# KiCad board retroslop.kicad_pcb (continued)
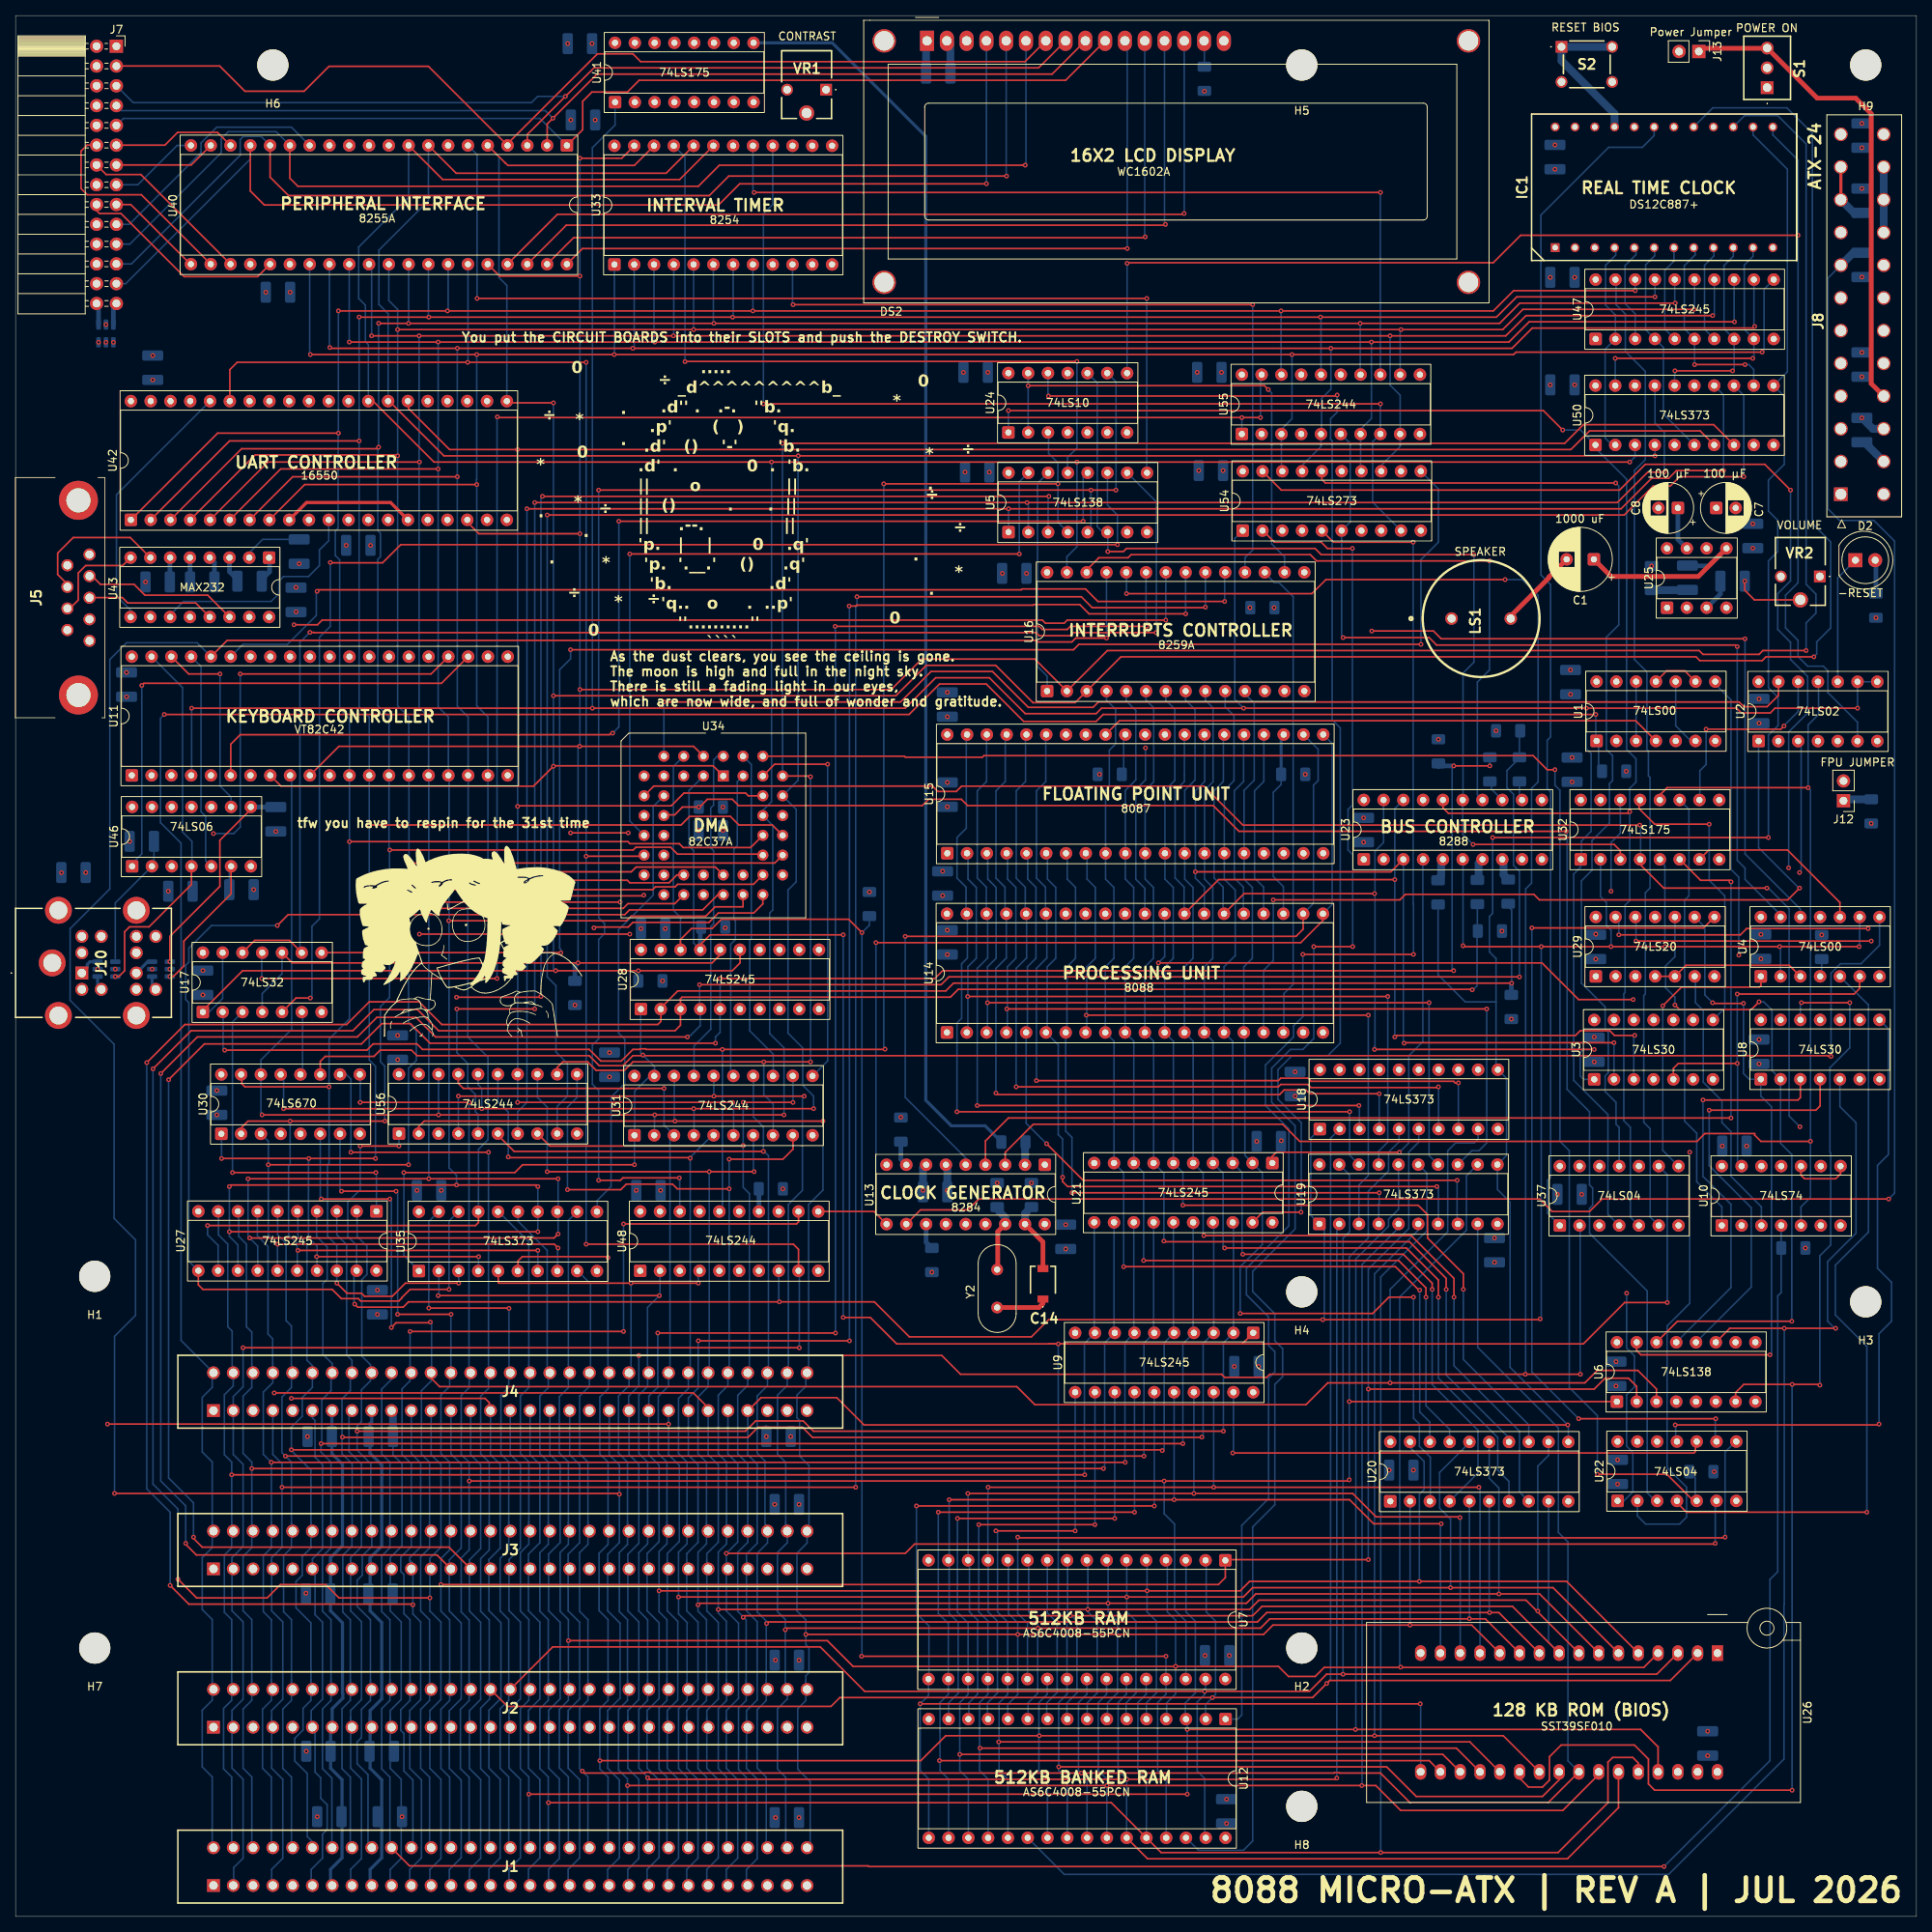
[diagram p0: board, top side]
## Library data of the parts (continued)
U2 = -: Datasheet: http://www.ti.com/lit/gpn/sn74ls02; Description: quad 2-input NOR gate; KiLib_Generator: package/DIP/legacy; ki_fp_filters: SO14* DIP*W7.62mm*
U3 U8 = -: Datasheet: http://www.ti.com/lit/gpn/sn74LS30; Description: 8-input NAND; KiLib_Generator: package/DIP/legacy; ki_fp_filters: DIP*W7.62mm*
U5 U6 = -: Datasheet: http://www.ti.com/lit/gpn/sn74LS138; Description: Decoder 3 to 8 active low outputs; KiLib_Generator: package/DIP/legacy; ki_fp_filters: DIP?16*
U7 U12 = -: Datasheet: https://www.alliancememory.com/wp-content/uploads/pdf/AS6C4008.pdf; Description: 512K x 8 Low Power CMOS RAM, DIP-32; KiLib_Generator: package/DIP/legacy; ki_fp_filters: DIP*W15.24mm*
U9 U21 U27 U28 U47 = -: Datasheet: http://www.ti.com/lit/gpn/sn74LS245; Description: Octal BUS Transceivers, 3-State outputs; KiLib_Generator: package/DIP/legacy; ki_fp_filters: DIP?20*
U10 = -: Datasheet: https://www.ti.com/lit/ds/symlink/sn74ls74a.pdf; Description: Dual D Flip-flop, Set & Reset; KiLib_Generator: package/DIP/legacy; ki_fp_filters: DIP*W7.62mm*
U11 = -: Datasheet: https://theretroweb.com/chip/documentation/vt82c42-6754b67122f9e811961681.pdf; KiLib_Generator: package/DIP/legacy
U13 = -: Datasheet: http://www.cpu-galaxy.at/cpu/ram%20rom%20eprom/other_intel_chips/other_intel-Dateien/D8284A_Datasheet.pdf; Description: Clock Generator and Driver for i8086/88 Microcontrollers, PDIP-18; KiLib_Generator: package/DIP/legacy; ki_fp_filters: DIP*W7.62mm*
U14 = -: Datasheet: http://datasheets.chipdb.org/Intel/x86/808x/datashts/8088/231456-006.pdf; Description: 8088 (maximum mode), 8-Bit HMOS Microprocessor, PDIP-40; KiLib_Generator: package/DIP/legacy; ki_fp_filters: DIP*W15.24mm*
U15 = -: Datasheet: http://datasheets.chipdb.org/Intel/x86/808x/datashts/8087/205835-007.pdf; Description: Math Coprocessor for Intel 8086/8088/80186/80188 microprocessors, PDIP-40; KiLib_Generator: package/DIP/legacy; ki_fp_filters: DIP*W15.24mm*
U16 = -: Datasheet: http://pdos.csail.mit.edu/6.828/2005/readings/hardware/8259A.pdf; Description: 8259, Programmable Interrupt Controller, PDIP-28; KiLib_Generator: package/DIP/legacy; ki_fp_filters: DIP*W15.24mm*
U17 = -: Datasheet: http://www.ti.com/lit/gpn/sn74LS32; Description: Quad 2-input OR; KiLib_Generator: package/DIP/legacy; ki_fp_filters: DIP?14*
U18-U20 U35 U50 = -: Datasheet: http://www.ti.com/lit/gpn/sn74LS373; Description: 8-bit Latch, 3-state outputs; KiLib_Generator: package/DIP/legacy; ki_fp_filters: DIP?20* SOIC?20* SO?20* SSOP?20* TSSOP?20*
U22 U37 = -: Datasheet: http://www.ti.com/lit/gpn/sn74LS04; Description: Hex Inverter; KiLib_Generator: package/DIP/legacy; ki_fp_filters: DIP*W7.62mm* SSOP?14* TSSOP?14*
U23 = -: Datasheet: http://www.datasheets360.com/pdf/7208679415653955300; Description: Bus Controller for Intel 8086/8088/80186/80188 microprocessors, DIP-20; KiLib_Generator: package/DIP/legacy; ki_fp_filters: DIP*W7.62mm*
U24 = -: Datasheet: http://www.ti.com/lit/gpn/sn74LS10; Description: Triple 3-input NAND; KiLib_Generator: package/DIP/legacy; ki_fp_filters: DIP*W7.62mm*
U25 = -: Datasheet: http://www.ti.com/lit/ds/symlink/lm386.pdf; Description: Low Voltage Audio Power Amplifier, DIP-8/SOIC-8/SSOP-8; KiLib_Generator: package/DIP/legacy; ki_fp_filters: SOIC*3.9x4.9mm*P1.27mm* DIP*W7.62mm* MSSOP*P0.65mm* TSSOP*3x3mm*P0.5mm*
U26 = -: Datasheet: https://ww1.microchip.com/downloads/aemDocuments/documents/MPD/ProductDocuments/DataSheets/SST39SF010A-SST39SF020A-SST39SF040-Data-Sheet-DS20005022.pdf; Description: Silicon Storage Technology (SSF) 128k x 8 Flash ROM; KiLib_Generator: connector/DIP_socket
U29 = -: Datasheet: http://www.ti.com/lit/gpn/sn74LS20; Description: Dual 4-input NAND; KiLib_Generator: package/DIP/legacy; ki_fp_filters: DIP?14*
U30 = -: Datasheet: http://www.ti.com/lit/gpn/sn74LS670; Description: 4 x 4 Register Files 3-State Outputs; KiLib_Generator: package/DIP/legacy; ki_fp_filters: DIP?16*
U31 U48 U55 U56 = -: Datasheet: http://www.ti.com/lit/ds/symlink/sn74ls244.pdf; Description: Octal Buffer and Line Driver With 3-State Output, active-low enables, non-inverting outputs; KiLib_Generator: package/DIP/legacy; ki_fp_filters: DIP?20*
U32 U41 = -: Datasheet: http://www.ti.com/lit/gpn/sn74LS175; Description: 4-bit D Flip-Flop, reset; KiLib_Generator: package/DIP/legacy; ki_fp_filters: DIP?16*
U33 = -: Datasheet: http://www.scs.stanford.edu/10wi-cs140/pintos/specs/8254.pdf; Description: Programmable Interval Timer, PDIP-24; KiLib_Generator: package/DIP/legacy; ki_fp_filters: DIP*W15.24mm*
U34 = -: Datasheet: https://www.renesas.com/en/document/dst/82c37a-datasheet?srsltid=AfmBOoomfU4XiIaeO2Ekv8tTWqptHy5pvvvukM1AdmKASTlZpJORGira
U36 U38 U44 = -: Datasheet: https://www.st.com/resource/en/datasheet/usblc6-2.pdf; Description: Very low capacitance ESD protection diode, 2 data-line, SOT-23-6; KiLib_Generator: package/gullwing; ki_fp_filters: SOT?23*
U40 = -: Datasheet: http://aturing.umcs.maine.edu/~meadow/courses/cos335/Intel8255A.pdf; Description: Programmable Peripheral Interface, PDIP-40; KiLib_Generator: package/DIP/legacy; ki_fp_filters: DIP*W15.24mm*
U42 = -: Datasheet: http://www.ti.com/lit/ds/symlink/pc16550d.pdf; Description: PC16550D, Universal Asynchronous Receiver/Transmitter with FIFOs, PDIP-40; KiLib_Generator: package/DIP/legacy; ki_fp_filters: DIP*W15.24mm*
U43 = -: Datasheet: http://www.ti.com/lit/ds/symlink/max232.pdf; Description: Dual RS232 driver/receiver, 5V supply, 120kb/s, 0C-70C; KiLib_Generator: package/DIP/legacy; ki_fp_filters: SOIC*P1.27mm* DIP*W7.62mm* TSSOP*4.4x5mm*P0.65mm*
U46 = -: Datasheet: http://www.ti.com/lit/gpn/sn74LS06; Description: Inverter Open Collect; KiLib_Generator: package/DIP/legacy; ki_fp_filters: DIP*W7.62mm*
U54 = -: Datasheet: http://www.ti.com/lit/gpn/sn74LS273; Description: 8-bit D Flip-Flop, reset; KiLib_Generator: package/DIP/legacy; ki_fp_filters: DIP?20* SO?20* SOIC?20*
VR1 VR2 = -: Datasheet: https://www.piher.net/wp-content/uploads/PIHER_N-6.pdf; Description: 10 kOhms 0.1W, 1/10W PC Pins Through Hole Trimmer Potentiometer Carbon 1.0 Turn Top Adjustment; Height: 7.6; Manufacturer_Name: Amphenol
Y2 = -: Description: Two pin crystal; KiLib_Generator: crystal_resonator_oscillator; ki_fp_filters: Crystal*

## Footprints (pads in the part's own frame, mm; a bottom-side part is the same pattern mirrored in y, then rotated)
39-28-1243
  rect 1.75x1.75 hole 1.4: 1(46.2,-5.5)
  round 1.75 hole 1.4: 2(42,-5.5) 3(37.8,-5.5) 4(33.6,-5.5) 5(29.4,-5.5) 6(25.2,-5.5) 7(21,-5.5) 8(16.8,-5.5) 9(12.6,-5.5) 10(8.4,-5.5) 11(4.2,-5.5) 12(0,-5.5) 13(46.2,0) 14(42,0) 15(37.8,0) 16(33.6,0) 17(29.4,0) 18(25.2,0) 19(21,0) 20(16.8,0) 21(12.6,0) 22(8.4,0) 23(4.2,0) 24(0,0)
1080041EVX
  rect 1.635x1.635 hole 1.09: 1(0,0)
  round 1.635 hole 1.09: 2(0,2.54) 3(0,5.08)
655308435
  rect 1.638x1.638 hole 1.092: 1(0,-4.852)
  round 1.638 hole 1.092: 2(2.54,-4.852) 3(5.08,-4.852) 4(7.62,-4.852) 5(10.16,-4.852) 6(12.7,-4.852) 7(15.24,-4.852) 8(17.78,-4.852) 9(20.32,-4.852) 10(22.86,-4.852) 11(25.4,-4.852) 12(27.94,-4.852) 13(30.48,-4.852) 14(33.02,-4.852) 15(35.56,-4.852) 16(38.1,-4.852) 17(40.64,-4.852) 18(43.18,-4.852) 19(45.72,-4.852) 20(48.26,-4.852) 21(50.8,-4.852) 22(53.34,-4.852) 23(55.88,-4.852) 24(58.42,-4.852) 25(60.96,-4.852) 26(63.5,-4.852) 27(66.04,-4.852) 28(68.58,-4.852) 29(71.12,-4.852) 30(73.66,-4.852) 31(76.2,-4.852) 32(0,0) 33(2.54,0) 34(5.08,0) 35(7.62,0) 36(10.16,0) 37(12.7,0) 38(15.24,0) 39(17.78,0) 40(20.32,0) 41(22.86,0) 42(25.4,0) 43(27.94,0) 44(30.48,0) 45(33.02,0) 46(35.56,0) 47(38.1,0) 48(40.64,0) 49(43.18,0) 50(45.72,0) 51(48.26,0) 52(50.8,0) 53(53.34,0) 54(55.88,0) 55(58.42,0) 56(60.96,0) 57(63.5,0) 58(66.04,0) 59(68.58,0) 60(71.12,0) 61(73.66,0) 62(76.2,0)
C_1210_3225Metric_Pad1.33x2.70mm_HandSolder
  rrect 1.325x2.7 smd: 1(-1.562,0) 2(1.562,0)
CP_Radial_D6.3mm_P2.50mm
  rrect 1.6x1.6 hole 0.8: 1(0,0)
  round 1.6 hole 0.8: 2(2.5,0)
CP_Radial_D8.0mm_P3.50mm
  rrect 1.6x1.6 hole 0.8: 1(0,0)
  round 1.6 hole 0.8: 2(3.5,0)
Crystal_HC49-4H_Vertical
  round 1.5 hole 0.8: 1(0,0) 2(4.88,0)
CVS-1508
  round 1.6 hole 1.05: 1(0,3.8) 2(0,-3.8)
DIP1550W53P254L3378H1042Q24N
  rect 1.13x1.13 hole 0.73: 1(-7.748,13.97)
  round 1.13 hole 0.73: 2(-7.748,11.43) 3(-7.748,8.89) 4(-7.748,6.35) 5(-7.748,3.81) 6(-7.748,1.27) 7(-7.748,-1.27) 8(-7.748,-3.81) 9(-7.748,-6.35) 10(-7.748,-8.89) 11(-7.748,-11.43) 12(-7.748,-13.97) 13(7.748,-13.97) 14(7.748,-11.43) 15(7.748,-8.89) 16(7.748,-6.35) 17(7.748,-3.81) 18(7.748,-1.27) 19(7.748,1.27) 20(7.748,3.81) 21(7.748,6.35) 22(7.748,8.89) 23(7.748,11.43) 24(7.748,13.97)
DIP-8_W7.62mm_Socket
  rrect 1.6x1.6 hole 0.8: 1(0,0)
  round 1.6 hole 0.8: 2(0,-2.54) 3(0,-5.08) 4(0,-7.62) 5(7.62,-7.62) 6(7.62,-5.08) 7(7.62,-2.54) 8(7.62,0)
DIP-14_W7.62mm_Socket
  rrect 1.6x1.6 hole 0.8: 1(0,0)
  round 1.6 hole 0.8: 2(0,-2.54) 3(0,-5.08) 4(0,-7.62) 5(0,-10.16) 6(0,-12.7) 7(0,-15.24) 8(7.62,-15.24) 9(7.62,-12.7) 10(7.62,-10.16) 11(7.62,-7.62) 12(7.62,-5.08) 13(7.62,-2.54) 14(7.62,0)
DIP-16_W7.62mm_Socket
  rrect 1.6x1.6 hole 0.8: 1(0,0)
  round 1.6 hole 0.8: 2(0,-2.54) 3(0,-5.08) 4(0,-7.62) 5(0,-10.16) 6(0,-12.7) 7(0,-15.24) 8(0,-17.78) 9(7.62,-17.78) 10(7.62,-15.24) 11(7.62,-12.7) 12(7.62,-10.16) 13(7.62,-7.62) 14(7.62,-5.08) 15(7.62,-2.54) 16(7.62,0)
DIP-18_W7.62mm_Socket
  rrect 1.6x1.6 hole 0.8: 1(0,0)
  round 1.6 hole 0.8: 2(0,-2.54) 3(0,-5.08) 4(0,-7.62) 5(0,-10.16) 6(0,-12.7) 7(0,-15.24) 8(0,-17.78) 9(0,-20.32) 10(7.62,-20.32) 11(7.62,-17.78) 12(7.62,-15.24) 13(7.62,-12.7) 14(7.62,-10.16) 15(7.62,-7.62) 16(7.62,-5.08) 17(7.62,-2.54) 18(7.62,0)
DIP-20_W7.62mm_Socket
  rrect 1.6x1.6 hole 0.8: 1(0,0)
  round 1.6 hole 0.8: 2(0,-2.54) 3(0,-5.08) 4(0,-7.62) 5(0,-10.16) 6(0,-12.7) 7(0,-15.24) 8(0,-17.78) 9(0,-20.32) 10(0,-22.86) 11(7.62,-22.86) 12(7.62,-20.32) 13(7.62,-17.78) 14(7.62,-15.24) 15(7.62,-12.7) 16(7.62,-10.16) 17(7.62,-7.62) 18(7.62,-5.08) 19(7.62,-2.54) 20(7.62,0)
DIP-24_W15.24mm_Socket
  rrect 1.6x1.6 hole 0.8: 1(0,0)
  round 1.6 hole 0.8: 2(0,-2.54) 3(0,-5.08) 4(0,-7.62) 5(0,-10.16) 6(0,-12.7) 7(0,-15.24) 8(0,-17.78) 9(0,-20.32) 10(0,-22.86) 11(0,-25.4) 12(0,-27.94) 13(15.24,-27.94) 14(15.24,-25.4) 15(15.24,-22.86) 16(15.24,-20.32) 17(15.24,-17.78) 18(15.24,-15.24) 19(15.24,-12.7) 20(15.24,-10.16) 21(15.24,-7.62) 22(15.24,-5.08) 23(15.24,-2.54) 24(15.24,0)
DIP-28_W15.24mm_Socket
  rrect 1.6x1.6 hole 0.8: 1(0,0)
  round 1.6 hole 0.8: 2(0,-2.54) 3(0,-5.08) 4(0,-7.62) 5(0,-10.16) 6(0,-12.7) 7(0,-15.24) 8(0,-17.78) 9(0,-20.32) 10(0,-22.86) 11(0,-25.4) 12(0,-27.94) 13(0,-30.48) 14(0,-33.02) 15(15.24,-33.02) 16(15.24,-30.48) 17(15.24,-27.94) 18(15.24,-25.4) 19(15.24,-22.86) 20(15.24,-20.32) 21(15.24,-17.78) 22(15.24,-15.24) 23(15.24,-12.7) 24(15.24,-10.16) 25(15.24,-7.62) 26(15.24,-5.08) 27(15.24,-2.54) 28(15.24,0)
DIP-32_W15.24mm_Socket
  rrect 1.6x1.6 hole 0.8: 1(0,0)
  round 1.6 hole 0.8: 2(0,-2.54) 3(0,-5.08) 4(0,-7.62) 5(0,-10.16) 6(0,-12.7) 7(0,-15.24) 8(0,-17.78) 9(0,-20.32) 10(0,-22.86) 11(0,-25.4) 12(0,-27.94) 13(0,-30.48) 14(0,-33.02) 15(0,-35.56) 16(0,-38.1) 17(15.24,-38.1) 18(15.24,-35.56) 19(15.24,-33.02) 20(15.24,-30.48) 21(15.24,-27.94) 22(15.24,-25.4) 23(15.24,-22.86) 24(15.24,-20.32) 25(15.24,-17.78) 26(15.24,-15.24) 27(15.24,-12.7) 28(15.24,-10.16) 29(15.24,-7.62) 30(15.24,-5.08) 31(15.24,-2.54) 32(15.24,0)
DIP-40_W15.24mm_Socket
  rrect 1.6x1.6 hole 0.8: 1(0,0)
  round 1.6 hole 0.8: 2(0,-2.54) 3(0,-5.08) 4(0,-7.62) 5(0,-10.16) 6(0,-12.7) 7(0,-15.24) 8(0,-17.78) 9(0,-20.32) 10(0,-22.86) 11(0,-25.4) 12(0,-27.94) 13(0,-30.48) 14(0,-33.02) 15(0,-35.56) 16(0,-38.1) 17(0,-40.64) 18(0,-43.18) 19(0,-45.72) 20(0,-48.26) 21(15.24,-48.26) 22(15.24,-45.72) 23(15.24,-43.18) 24(15.24,-40.64) 25(15.24,-38.1) 26(15.24,-35.56) 27(15.24,-33.02) 28(15.24,-30.48) 29(15.24,-27.94) 30(15.24,-25.4) 31(15.24,-22.86) 32(15.24,-20.32) 33(15.24,-17.78) 34(15.24,-15.24) 35(15.24,-12.7) 36(15.24,-10.16) 37(15.24,-7.62) 38(15.24,-5.08) 39(15.24,-2.54) 40(15.24,0)
DIP_Socket-32_W11.9mm_W12.7mm_W15.24mm_W17.78mm_W18.5mm_3M_232-1285-00-0602J
  rect 2x1.44 hole 1: 1(0,0)
  oval 2x1.44 hole 1: 2(0,-2.54) 3(0,-5.08) 4(0,-7.62) 5(0,-10.16) 6(0,-12.7) 7(0,-15.24) 8(0,-17.78) 9(0,-20.32) 10(0,-22.86) 11(0,-25.4) 12(0,-27.94) 13(0,-30.48) 14(0,-33.02) 15(0,-35.56) 16(0,-38.1) 17(15.24,-38.1) 18(15.24,-35.56) 19(15.24,-33.02) 20(15.24,-30.48) 21(15.24,-27.94) 22(15.24,-25.4) 23(15.24,-22.86) 24(15.24,-20.32) 25(15.24,-17.78) 26(15.24,-15.24) 27(15.24,-12.7) 28(15.24,-10.16) 29(15.24,-7.62) 30(15.24,-5.08) 31(15.24,-2.54) 32(15.24,0)
JZ300
  rect 0.9x1.4 smd: 1(-1.95,0) 2(1.95,0)
KMDGX6SGPS4N
  rect 1.65x1.65 hole 1.1: A1(0,0)
  round 1.65 hole 1.1: A2(2.6,0) A3(-2.1,0) A5(4.7,0) A6(-2.1,-2.5) A8(4.7,-2.5) B1(0,-7) B2(2.6,-7) B3(-2.1,-7) B5(4.7,-7) B6(-2.1,-9.5) B8(4.7,-9.5)
  round 3.45 hole 2.3: MH1(1.3,3.8) MH2(-5.45,3) MH3(8.05,3) MH4(-5.45,-7) MH5(8.05,-7)
L717SDE09PA4CH4RC309
  round 1.55 hole 1.05: 1(0,0) 2(2.77,0) 3(5.54,0) 4(8.31,0) 5(11.08,0) 6(1.385,-2.84) 7(4.155,-2.84) 8(6.925,-2.84) 9(9.695,-2.84)
  round 5 hole 3.1: MH1(-6.955,-1.42) MH2(18.035,-1.42)
LED_D5.0mm_Clear
  rect 1.8x1.8 hole 0.9: 1(0,0)
  round 1.8 hole 0.9: 2(2.54,0)
MountingHole_4mm
  round 4 hole 4 unplated: (0,0)
N6L30T3N1033030
  rect 1.5x1.5 hole 1: 1(0,0)
  round 1.95 hole 1.3: 2(2.5,3)
  round 1.5 hole 1: 3(5,0)
PinHeader_1x02_P2.54mm_Vertical
  rect 1.7x1.7 hole 1: 1(0,0)
  round 1.7 hole 1: 2(0,-2.54)
PinSocket_2x14_P2.54mm_Horizontal
  rect 1.7x1.7 hole 1: 1(0,0)
  round 1.7 hole 1: 2(-2.54,0) 3(0,-2.54) 4(-2.54,-2.54) 5(0,-5.08) 6(-2.54,-5.08) 7(0,-7.62) 8(-2.54,-7.62) 9(0,-10.16) 10(-2.54,-10.16) 11(0,-12.7) 12(-2.54,-12.7) 13(0,-15.24) 14(-2.54,-15.24) 15(0,-17.78) 16(-2.54,-17.78) 17(0,-20.32) 18(-2.54,-20.32) 19(0,-22.86) 20(-2.54,-22.86) 21(0,-25.4) 22(-2.54,-25.4) 23(0,-27.94) 24(-2.54,-27.94) 25(0,-30.48) 26(-2.54,-30.48) 27(0,-33.02) 28(-2.54,-33.02)
PLCC-44_THT-Socket
  rect 1.422x1.422 hole 0.8: 1(0,0)
  round 1.422 hole 0.8: 2(-2.54,2.54) 3(-2.54,0) 4(-5.08,2.54) 5(-5.08,0) 6(-7.62,2.54) 7(-10.16,0) 8(-7.62,0) 9(-10.16,-2.54) 10(-7.62,-2.54) 11(-10.16,-5.08) 12(-7.62,-5.08) 13(-10.16,-7.62) 14(-7.62,-7.62) 15(-10.16,-10.16) 16(-7.62,-10.16) 17(-10.16,-12.7) 18(-7.62,-15.24) 19(-7.62,-12.7) 20(-5.08,-15.24) 21(-5.08,-12.7) 22(-2.54,-15.24) 23(-2.54,-12.7) 24(0,-15.24) 25(0,-12.7) 26(2.54,-15.24) 27(2.54,-12.7) 28(5.08,-15.24) 29(7.62,-12.7) 30(5.08,-12.7) 31(7.62,-10.16) 32(5.08,-10.16) 33(7.62,-7.62) 34(5.08,-7.62) 35(7.62,-5.08) 36(5.08,-5.08) 37(7.62,-2.54) 38(5.08,-2.54) 39(7.62,0) 40(5.08,2.54) 41(5.08,0) 42(2.54,2.54) 43(2.54,0) 44(0,2.54)
R_1206_3216Metric_Pad1.30x1.75mm_HandSolder
  rrect 1.3x1.75 smd: 1(-1.55,0) 2(1.55,0)
SOT-23-6
  rrect 1.325x0.6 smd: 1(-1.137,0.95) 2(-1.137,0) 3(-1.137,-0.95) 4(1.137,-0.95) 5(1.137,0) 6(1.137,0.95)
TS026650BK260SCRD
  rect 1.5x1.5 hole 1: 1(0,0)
  round 1.5 hole 1: 2(6.5,0) 3(0,-4.5) 4(6.5,-4.5)
WC1602A
  round 3 hole 2.5: (-5.499,0) (-5.499,-31.001) (69.499,-31.001) (69.5,0)
  rect 1.8x2.6 hole 1.2: 1(0,0)
  oval 1.8x2.6 hole 1.2: 2(2.54,0) 3(5.08,0) 4(7.62,0) 5(10.16,0) 6(12.7,0) 7(15.24,0) 8(17.78,0) 9(20.32,0) 10(22.86,0) 11(25.4,0) 12(27.94,0) 13(30.48,0) 14(33.02,0) 15(35.56,0) 16(38.1,0)

## Nets
+5V: C5.1 C6.1 C7.1 C17.1 C18.1 C19.1 C20.1 C21.1 C22.1 C24.1 C29.1 C30.1 C31.1 C32.1 C33.1 C34.1 C35.1 C36.1 C37.1 C38.1 C39.1 C40.1 C41.1 C42.1 C43.1 C44.1 C45.1 C46.1 C47.1 C48.1 C51.1 C53.1 C54.1 C55.1 C56.1 C57.1 C58.1 C61.1 C62.1 C63.1 C64.1 C65.1 C66.1 C72.1 C73.1 C74.1 C75.1 C76.1 C77.1 C78.1 C79.1 C80.1 C81.1 C82.1 C84.1 C85.1 C87.1 C88.1 C91.1 C94.1 DS2.2 IC1.18 IC1.24 J1.3 J1.29 J2.3 J2.29 J3.3 J3.29 J4.3 J4.29 J7.2 J8.4 J8.6 J8.21 J8.22 J8.23 J10.A5 J10.B5 R25.1 R26.1 R27.1 R28.1 R29.1 R30.1 R31.1 R32.1 R33.1 R34.1 R35.1 R36.2 R37.1 R38.1 R39.1 R40.1 R41.1 R42.1 R43.1 U1.14 U2.14 U3.6 U3.11 U3.12 U3.14 U4.14 U5.16 U6.6 U6.16 U7.32 U8.6 U8.11 U8.14 U9.20 U10.2 U10.14 U11.5 U11.25 U11.26 U11.40 U12.32 U13.7 U13.18 U14.31 U14.40 U15.33 U15.34 U15.40 U16.28 U17.14 U18.20 U19.20 U20.20 U21.20 U22.14 U23.20 U24.4 U24.5 U24.14 U25.6 U26.31 U26.32 U27.20 U28.20 U29.14 U30.16 U31.20 U32.16 U33.11 U33.24 U34.35 U35.20 U36.5 U37.14 U38.5 U40.26 U41.16 U42.12 U42.13 U42.39 U42.40 U43.16 U44.5 U46.14 U47.20 U48.20 U50.20 U54.20 U55.20 U56.20 VR1.3
+12V: C15.1 C89.1 C92.1 C95.1 C97.1 J1.9 J2.9 J3.9 J4.9 J8.10 J8.11
-12V: C23.1 C93.1 C96.1 C98.1 C99.1 J1.7 J2.7 J3.7 J4.7 J8.14
GND: C5.2 C6.2 C7.2 C8.2 C11.2 C15.2 C17.2 C18.2 C19.2 C20.2 C21.2 C22.2 C23.2 C24.2 C29.2 C30.2 C31.2 C32.2 C33.2 C34.2 C35.2 C36.2 C37.2 C38.2 C39.2 C40.2 C41.2 C42.2 C43.2 C44.2 C45.2 C46.2 C47.2 C48.2 C50.2 C51.2 C53.2 C54.2 C55.2 C56.2 C57.2 C58.2 C61.2 C62.2 C63.2 C64.2 C65.2 C66.2 C68.2 C69.2 C70.2 C71.2 C72.2 C73.2 C74.2 C75.2 C76.2 C77.2 C78.2 C79.2 C80.2 C81.2 C82.2 C83.2 C84.2 C85.2 C87.2 C88.2 C89.2 C91.2 C92.2 C93.2 C94.2 C95.2 C96.2 C97.2 C98.2 C99.2 DS2.1 DS2.16 IC1.12 J1.1 J1.10 J1.31 J2.1 J2.10 J2.31 J3.1 J3.10 J3.31 J4.1 J4.10 J4.31 J5.5 J5.MH1 J5.MH2 J7.1 J8.3 J8.5 J8.7 J8.15 J8.17 J8.18 J8.19 J8.24 J10.A3 J10.B3 J10.MH1 J10.MH2 J10.MH3 J10.MH4 J10.MH5 J12.2 J13.2 LS1.1 R20.2 R21.2 R53.2 S1.1 S1.2 S2.3 S2.4 U1.7 U2.7 U3.7 U4.7 U5.8 U6.4 U6.5 U6.8 U7.16 U8.7 U9.10 U10.7 U11.2 U11.7 U11.20 U12.16 U13.1 U13.6 U13.9 U13.13 U13.15 U14.1 U14.20 U14.33 U15.1 U15.20 U16.14 U17.7 U18.10 U18.13 U18.14 U18.17 U18.18 U19.10 U20.10 U21.10 U22.7 U23.1 U23.10 U24.7 U25.2 U25.4 U26.16 U27.10 U28.10 U28.19 U29.7 U30.8 U31.10 U32.8 U33.12 U34.22 U34.23 U35.10 U36.2 U37.7 U38.2 U40.7 U41.5 U41.8 U41.12 U41.13 U42.19 U42.20 U42.22 U42.25 U43.15 U44.2 U46.7 U46.11 U46.13 U47.10 U48.1 U48.10 U48.13 U48.15 U48.17 U48.19 U50.10 U50.18 U54.10 U55.10 U56.10 VR1.1 VR2.3
/Bus Driver/A0: J1.62 J2.62 J3.62 J4.62 U7.12 U12.12 U20.2 U26.12 U31.18 U56.2
/Bus Driver/A1: J1.61 J2.61 J3.61 J4.61 U7.11 U12.11 U20.5 U26.11 U31.16 U56.4
/Bus Driver/A2: J1.60 J2.60 J3.60 J4.60 U7.10 U12.10 U20.6 U26.10 U31.14 U56.6
/Bus Driver/A3: J1.59 J2.59 J3.59 J4.59 U7.9 U12.9 U20.9 U26.9 U31.12 U56.8
/Bus Driver/A4: J1.58 J2.58 J3.58 J4.58 U7.8 U12.8 U20.12 U26.8 U31.9 U56.11
/Bus Driver/A5: J1.57 J2.57 J3.57 J4.57 U7.7 U12.7 U20.15 U26.7 U31.7 U56.13
/Bus Driver/A6: J1.56 J2.56 J3.56 J4.56 U7.6 U12.6 U20.16 U26.6 U31.5 U56.15
/Bus Driver/A7: J1.55 J2.55 J3.55 J4.55 U7.5 U12.5 U20.19 U26.5 U31.3 U56.17
/Bus Driver/A8: J1.54 J2.54 J3.54 J4.54 U7.27 U12.27 U19.2 U26.27 U35.2 U48.2
/Bus Driver/A9: J1.53 J2.53 J3.53 J4.53 U7.26 U12.26 U19.5 U26.26 U35.5 U48.4
/Bus Driver/A10: J1.52 J2.52 J3.52 J4.52 U7.23 U12.23 U19.6 U26.23 U35.6
/Bus Driver/A11: J1.51 J2.51 J3.51 J4.51 U7.25 U12.25 U19.9 U26.25 U35.9
/Bus Driver/A12: J1.50 J2.50 J3.50 J4.50 U7.4 U12.4 U19.12 U26.4 U35.12
/Bus Driver/A13: J1.49 J2.49 J3.49 J4.49 U7.28 U12.28 U19.15 U26.28 U35.15
/Bus Driver/A14: J1.48 J2.48 J3.48 J4.48 U7.3 U12.3 U19.16 U26.29 U35.16
/Bus Driver/A15: J1.47 J2.47 J3.47 J4.47 U7.31 U12.31 U19.19 U26.3 U35.19
/Bus Driver/A16: J1.46 J2.46 J3.46 J4.46 U7.2 U12.2 U18.2 U26.2 U30.10
/Bus Driver/A17: J1.45 J2.45 J3.45 J4.45 U6.1 U7.30 U18.5 U30.9
/Bus Driver/A18: J1.44 J2.44 J3.44 J4.44 U6.2 U7.1 U18.6 U30.7
/Bus Driver/A19: J1.43 J2.43 J3.43 J4.43 U6.3 U18.9 U30.6
/Bus Driver/AEN: J1.42 J2.42 J3.42 J4.42 U48.12
/Bus Driver/D0: J1.40 J2.40 J3.40 J4.40 U9.2 U21.18 U27.2
/Bus Driver/D1: J1.39 J2.39 J3.39 J4.39 U9.3 U21.17 U27.3
/Bus Driver/D2: J1.38 J2.38 J3.38 J4.38 U9.4 U21.16 U27.4
/Bus Driver/D3: J1.37 J2.37 J3.37 J4.37 U9.5 U21.15 U27.5
/Bus Driver/D4: J1.36 J2.36 J3.36 J4.36 U9.6 U21.14 U27.6
/Bus Driver/D5: J1.35 J2.35 J3.35 J4.35 U9.7 U21.13 U27.7
/Bus Driver/D6: J1.34 J2.34 J3.34 J4.34 U9.8 U21.12 U27.8
/Bus Driver/D7: J1.33 J2.33 J3.33 J4.33 U9.9 U21.11 U27.9
/Bus Driver/RESET: J1.2 J2.2 J3.2 J4.2 U34.15 U40.35 U42.35 U48.9
/Bus Driver/RESET BRD: U13.10 U14.21 U15.21 U37.3 U48.11
/Bus Driver/XA0: U11.9 U16.27 U30.14 U31.2 U33.19 U34.36 U40.9 U42.28 U50.3 U56.18
/Bus Driver/XA1: U30.13 U31.4 U33.20 U34.37 U40.8 U42.27 U50.4 U56.16
/Bus Driver/XA2: U31.6 U34.38 U42.26 U50.7 U56.14
/Bus Driver/XA3: U31.8 U34.39 U50.8 U56.12
/Bus Driver/XA4: U50.13 U56.9
/Bus Driver/XA5: U5.1 U50.14 U56.7
/Bus Driver/XA6: U5.2 U50.17 U56.5
/Bus Driver/XA7: U5.3 U56.3
/Bus Driver/XA8: U5.5 U24.9 U48.18
/Bus Driver/XA9: U5.4 U17.2 U24.3 U48.16
/Bus Driver/XD0: U11.12 U27.18 U30.15 U33.8 U34.34 U35.3 U40.34 U42.1 U47.18 U54.3 U55.18
/Bus Driver/XD1: U11.13 U27.17 U30.1 U33.7 U34.33 U35.4 U40.33 U42.2 U47.17 U54.4 U55.16
/Bus Driver/XD2: U11.14 U27.16 U30.2 U33.6 U34.32 U35.7 U40.32 U42.3 U47.16 U54.7 U55.14
/Bus Driver/XD3: U11.15 U27.15 U30.3 U33.5 U34.31 U35.8 U40.31 U42.4 U47.15 U54.8 U55.12
/Bus Driver/XD4: U11.16 U27.14 U33.4 U34.30 U35.13 U40.30 U42.5 U47.14 U54.13 U55.9
/Bus Driver/XD5: U11.17 U27.13 U33.3 U34.26 U35.14 U40.29 U42.6 U47.13 U54.14 U55.7
/Bus Driver/XD6: U11.18 U27.12 U33.2 U34.25 U35.17 U40.28 U42.7 U47.12 U54.17 U55.5
/Bus Driver/XD7: U11.19 U27.11 U33.1 U34.24 U35.18 U40.27 U42.8 U47.11 U54.18 U55.3
/Bus Driver/~{DMA AEN}: U4.8 U28.1 U30.11 U31.1 U31.19 U35.1
/Device Decoder/~{AEN}: U5.6 U23.15 U24.10 U32.3
/Device Decoder/~{MEM_ADDR_SEL}: U9.19 U22.10
/Device Decoder/~{PIC CS}: U5.14 U16.1
/Device Decoder/~{RAM_BANK_CS}: U6.11 U8.5 U12.22
/Device Decoder/~{RAM_CS}: U7.22 U22.8
/Device Decoder/~{ROM_CS}: U6.7 U8.12 U26.22
/DMA/DA4: U31.11 U34.41
/DMA/DA5: U31.13 U34.42
/DMA/DA6: U31.15 U34.43
/DMA/DA7: U31.17 U34.44
/DMA/DRQ1: J1.18 J2.18 J3.18 J4.18 U34.21
/DMA/DRQ2: J1.6 J2.6 J3.6 J4.6 U34.20
/DMA/DRQ3: J1.16 J2.16 J3.16 J4.16 U34.19
/DMA/RDY TO DMA: U2.13 U34.6
/DMA/Terminal Count: J1.27 J2.27 J3.27 J4.27 U22.6
/DMA/~{DACK0}: J1.19 J2.19 J3.19 J4.19 U34.28
/DMA/~{DACK1}: J1.17 J2.17 J3.17 J4.17 U34.27
/DMA/~{DACK2}: J1.26 J2.26 J3.26 J4.26 U30.4 U34.16
/DMA/~{DACK3}: J1.15 J2.15 J3.15 J4.15 U30.5 U34.18
/DMA/~{HRQ DMA}: U4.5 U22.4
/Flag Registers/ALLOW NMI: U22.13 U54.19 U55.17
/Flag Registers/BA0: U12.30 U54.2 U55.2
/Flag Registers/BA1: U12.1 U54.5 U55.4
/Flag Registers/ENABLE IO CK: U37.11 U54.16 U55.15
/Flag Registers/I/O CH CK: U1.3 U1.12 U55.11
/Flag Registers/SPKR EN: U4.13 U54.6 U55.6
/Flag Registers/SPKR GATE: U33.16 U54.9 U55.8
/Flag Registers/SPKR OUT: U4.12 U33.17 U55.13
/ISA BUS/I/O CH RDY: J1.41 J2.41 J3.41 J4.41 R32.2 U10.4
/ISA BUS/~{HRQ I/O CH}: J1.8 J2.8 J3.8 J4.8
/ISA BUS/~{I/O CH CK}: J1.32 J2.32 J3.32 J4.32 R30.2 U1.1
/Keyboard/KEYBOARD CLOCK: C70.1 U11.1 U38.3 U46.6
/Keyboard/KEYBOARD DATA: C50.1 U11.27 U38.1 U46.8
/Keyboard/MOUSE CLOCK: C71.1 U11.39 U36.3 U46.4
/Keyboard/MOUSE DATA: C83.1 U11.28 U36.1 U46.2
/Pinout/PA0: DS2.7 J7.3 U40.4
/Pinout/PA1: DS2.8 J7.5 U40.3
/Pinout/PA2: DS2.9 J7.7 U40.2
/Pinout/PA3: DS2.10 J7.9 U40.1
/Pinout/PA4: DS2.11 J7.4 U40.40
/Pinout/PA5: DS2.12 J7.6 U40.39
/Pinout/PA6: DS2.13 J7.8 U40.38
/Pinout/PA7: DS2.14 J7.10 U40.37
/Pinout/PB0: J7.11 U40.18
/Pinout/PB1: J7.13 U40.19
/Pinout/PB2: J7.15 U40.20
/Pinout/PB3: J7.17 U40.21
/Pinout/PB4: J7.12 U40.22
/Pinout/PB5: J7.14 U40.23
/Pinout/PB6: J7.16 U40.24
/Pinout/PB7: J7.18 U40.25
/Pinout/PC0: J7.19 U40.14
/Pinout/PC1: DS2.6 J7.21 U40.15
/Pinout/PC2: DS2.5 J7.23 U40.16
/Pinout/PC3: DS2.4 J7.25 U40.17
/Pinout/PC4: J7.20 U40.13
/Pinout/PC5: J7.22 U40.12
/Pinout/PC6: J7.24 U40.11
/Pinout/PC7: J7.26 U40.10
/Pinout/PIT GATE: U33.14 U44.3
/Pinout/PIT OUT: U33.13 U44.1
/POWER/PWR GOOD: C11.1 J8.8 U13.11
/Processor And Control/AX0: U14.16 U15.16 U16.11 U20.3 U21.2
/Processor And Control/AX1: U14.15 U15.15 U16.10 U20.4 U21.3
/Processor And Control/AX2: U14.14 U15.14 U16.9 U20.7 U21.4
/Processor And Control/AX3: U14.13 U15.13 U16.8 U20.8 U21.5
/Processor And Control/AX4: U14.12 U15.12 U16.7 U20.13 U21.6
/Processor And Control/AX5: U14.11 U15.11 U16.6 U20.14 U21.7
/Processor And Control/AX6: U14.10 U15.10 U16.5 U20.17 U21.8
/Processor And Control/AX7: U14.9 U15.9 U16.4 U20.18 U21.9
/Processor And Control/AX8: U14.8 U15.8 U19.3
/Processor And Control/AX9: U14.7 U15.7 U19.4
/Processor And Control/AX10: U14.6 U15.6 U19.7
/Processor And Control/AX11: U14.5 U15.5 U19.8
/Processor And Control/AX12: U14.4 U15.4 U19.13
/Processor And Control/AX13: U14.3 U15.3 U19.14
/Processor And Control/AX14: U14.2 U15.2 U19.17
/Processor And Control/AX15: U14.39 U15.39 U19.18
/Processor And Control/AX16: U14.38 U15.38 U18.3
/Processor And Control/AX17: U14.37 U15.37 U18.4
/Processor And Control/AX18: U14.36 U15.36 U18.7
/Processor And Control/AX19: U14.35 U15.35 U18.8
/Processor And Control/FPU IRQ: U1.4 U15.32
/Processor And Control/IRQ0: U16.18 U33.10
/Processor And Control/IRQ1: U11.35 U16.19
/Processor And Control/IRQ2: J1.4 J2.4 J3.4 J4.4 U16.20
/Processor And Control/IRQ3: J1.25 J2.25 J3.25 J4.25 U16.21
/Processor And Control/IRQ4: J1.24 J2.24 J3.24 J4.24 U16.22 U42.30
/Processor And Control/IRQ5: J1.23 J2.23 J3.23 J4.23 U16.23
/Processor And Control/IRQ6: J1.22 J2.22 J3.22 J4.22 U16.24 U37.2
/Processor And Control/IRQ7: J1.21 J2.21 J3.21 J4.21 U11.36 U16.25
/Processor And Control/NMI: U2.1 U14.17
/Processor And Control/QS1: U14.24 U15.24
/Processor And Control/QSO: U14.25 U15.25
/Processor And Control/~{DMA WAIT}: U13.4 U32.6
/Processor And Control/~{LOCK}: U3.4 U14.29
/Processor And Control/~{S0}: U3.1 U14.26 U15.26 U23.19
/Processor And Control/~{S1}: U3.2 U14.27 U15.27 U23.3
/Processor And Control/~{S2}: U3.3 U14.28 U15.28 U23.18
/RAM and ROM/MD0: U7.13 U9.18 U12.13 U26.13
/RAM and ROM/MD1: U7.14 U9.17 U12.14 U26.14
/RAM and ROM/MD2: U7.15 U9.16 U12.15 U26.15
/RAM and ROM/MD3: U7.17 U9.15 U12.17 U26.17
/RAM and ROM/MD4: U7.18 U9.14 U12.18 U26.18
/RAM and ROM/MD5: U7.19 U9.13 U12.19 U26.19
/RAM and ROM/MD6: U7.20 U9.12 U12.20 U26.20
/RAM and ROM/MD7: U7.21 U9.11 U12.21 U26.21
/RTC/AD0: IC1.4 U47.2 U50.2
/RTC/AD1: IC1.5 U47.3 U50.5
/RTC/AD2: IC1.6 U47.4 U50.6
/RTC/AD3: IC1.7 U47.5 U50.9
/RTC/AD4: IC1.8 U47.6 U50.12
/RTC/AD5: IC1.9 U47.7 U50.15
/RTC/AD6: IC1.10 U47.8 U50.16
/RTC/AD7: IC1.11 U47.9 U50.19
/RTC/ADDR EN: U23.16 U24.1 U37.5 U50.1
/RTC/ADDR LATCH: IC1.14 J1.28 J2.28 J3.28 J4.28 R52.2 U18.11 U19.11 U20.11 U50.11
/RTC/DATA EN: U37.6 U47.19
/RTC/RTC DIR: U2.4 U47.1
/UART/CTS: J5.8 U43.8
/UART/RTS: J5.7 U43.7
/UART/RXD: J5.2 U43.14
/UART/TXD: J5.3 U43.13
/Wait State Generator/AEN: U4.2 U4.9 U18.1 U19.1 U20.1 U23.6 U27.19 U32.2 U32.5 U48.8 U56.1 U56.19
/Wait State Generator/DMA WAIT: U4.10 U32.7
/Wait State Generator/FPU INSTL: J12.1 R42.2 U1.5
/Wait State Generator/HOLDA: U10.9 U32.4 U34.9
/Wait State Generator/RDY/~{WAIT} DLY: U10.1 U32.11
/Wait State Generator/~{CLK}: U10.11 U37.12
/Wait State Generator/~{ENABLE IO CK}: U1.13 U37.10
/Wait State Generator/~{RDY}/WAIT: U2.11 U10.5 U13.3 U32.12
/Wait State Generator/~{RDY}/WAIT DLY: U2.12 U32.10
/Wait State Generator/~{RESET}: U2.8 U2.9 U11.4 U32.1 U37.4 U41.1 U54.1
/~{CS0}: U5.15 U34.13
/~{CS1}: U5.13 U33.21
/~{CS2}: U5.12 U11.6
/~{CS3}: U5.11 U17.5
/~{CS4}: U5.10 U17.9 U17.12
/~{CS5}: U5.9 U40.6
/~{CS6}: U5.7 U42.14
/~{CS7}: IC1.13 U2.6 U24.8
/~{IOR}: J1.14 J2.14 J3.14 J4.14 R28.2 R47.2 U28.5
/~{IOW}: J1.13 J2.13 J3.13 J4.13 R25.2 R44.2 U28.4
/~{MEMR}: J1.12 J2.12 J3.12 J4.12 R27.2 R46.2 U28.3
/~{MEMW}: J1.11 J2.11 J3.11 J4.11 R26.2 R45.2 U28.2
/~{XIOR}: IC1.17 R37.2 U2.5 U11.8 U16.3 U17.1 U17.13 U28.15 U29.1 U33.22 U34.1 U40.5 U42.21
/~{XIOW}: IC1.15 R38.2 U11.10 U16.2 U17.4 U17.10 U28.16 U29.2 U33.23 U34.2 U40.36 U42.18
/~{XMEMR}: R39.2 U7.24 U9.1 U12.24 U26.24 U28.17 U34.3 U37.9
/~{XMEMW}: R40.2 U7.29 U12.29 U28.18 U34.4
CLK: J1.20 J2.20 J3.20 J4.20 R51.2 U11.3 U23.2 U32.9 U34.14 U42.16
CLK88: R50.2 U14.19 U15.19 U37.13 U48.6
OSC: J1.30 J2.30 J3.30 J4.30 R49.2
PCLK: R48.2 U41.9
Net-(C1-Pad1): C1.1 C2.1 U25.5
Net-(C2-Pad2): C2.2 R53.1
Net-(C14-COLD(ROTOR)_TERMINAL): C14.2 R20.1 U13.17
Net-(C14-HOT-END_TERMINAL): C14.1 Y2.2
Net-(D2-A): D2.2 R36.1
Net-(D2-K): D2.1 U2.10
Net-(DS2-LED(+)): DS2.15 R41.2
Net-(DS2-VO): DS2.3 VR1.2
Net-(IC1-N.C._(~{RCLR)}): IC1.21 S2.1 S2.2
Net-(IC1-~{IRQ}): IC1.19 U37.1
Net-(J7-Pin_27): J7.27 U44.6
Net-(J7-Pin_28): J7.28 U44.4
Net-(J10-PadA1): J10.A1 U36.6
Net-(J10-PadA6): J10.A6 U36.4
Net-(J10-PadB1): J10.B1 U38.6
Net-(J10-PadB6): J10.B6 U38.4
Net-(J13-Pin_1): J8.16 J13.1 S1.3
Net-(LS1-+): C1.2 LS1.2
Net-(R31-Pad2): R31.2 U4.4
Net-(U1-Pad8): U1.8 U22.1
Net-(U1-Pad10): U1.6 U1.10
Net-(U1-Pad11): U1.2 U1.9 U1.11
Net-(U2-Pad2): U2.2 U22.2
Net-(U2-Pad3): U2.3 U22.12
Net-(U6-O0): U6.15 U8.1 U29.9
Net-(U6-O1): U6.14 U8.2 U29.10
Net-(U6-O2): U6.13 U8.3 U29.12
Net-(U6-O3): U6.12 U8.4 U29.13
Net-(U10A-C): U10.3 U29.6
Net-(U10B-D): U10.12 U32.14
Net-(U10B-~{Q}): U10.8 U10.10
Net-(U10B-~{R}): U3.5 U4.6 U10.13
Net-(U11-P22): U11.23 U46.1
Net-(U11-P23): U11.24 U46.3
Net-(U11-P26): U11.37 U46.5
Net-(U11-P27): U11.38 U46.9
Net-(U13-CLK): R50.1 U13.8
Net-(U13-OSC): R49.1 U13.12
Net-(U13-PCLK): R48.1 U13.2
Net-(U13-READY): U13.5 U14.22 U15.22
Net-(U13-X2): R21.1 U13.16 Y2.1
Net-(U14-INTR): U14.18 U16.17
Net-(U14-~{RQ}/~{GT1}): R43.2 U14.30 U15.31
Net-(U14-~{TEST}): R33.2 U14.23 U15.23
Net-(U16-~{INTA}): U16.26 U23.14
Net-(U16-~{SP}/~{EN}): R29.2 U16.16 U24.2 U24.13
Net-(U21-A->B): U21.1 U23.4
Net-(U21-CE): U21.19 U24.12
Net-(U22-Pad9): U22.9 U29.8
Net-(U22-Pad11): U8.8 U22.11
Net-(U23-ALE): R52.1 U23.5
Net-(U23-~{AIOWC}): R44.1 U23.12
Net-(U23-~{AMWC}): R45.1 U23.8
Net-(U23-~{IORC}): R47.1 U23.13
Net-(U23-~{MRDC}): R46.1 U23.7
Net-(U24-Pad11): U24.6 U24.11
Net-(U25-+): C86.2 U25.3
Net-(U25-BYPASS): C8.1 U25.7
Net-(U27-A->B): U17.3 U27.1
Net-(U29-Pad4): U4.3 U29.4 U29.5
Net-(U30-~{Ew}): U17.6 U30.12
Net-(U32-D3): U3.8 U32.13
Net-(U33-CLK0): U33.9 U33.15 U33.18 U41.2
Net-(U34-ADSTB): U34.10 U35.11
Net-(U34-HRQ): R34.2 U22.3 U34.12
Net-(U34-~{EOP}): R35.2 U22.5 U34.40
Net-(U37-Pad8): U4.1 U37.8
Net-(U41-D0): U41.3 U41.4
Net-(U42-RCLK): U42.9 U42.15
Net-(U42-SIN): U42.10 U43.12
Net-(U42-SOUT): U42.11 U43.11
Net-(U42-~{CTS}): U42.36 U43.9
Net-(U42-~{RTS}): U42.32 U43.10
Net-(U43-C1+): C52.1 U43.1
Net-(U43-C1-): C52.2 U43.3
Net-(U43-C2+): C67.1 U43.4
Net-(U43-C2-): C67.2 U43.5
Net-(U43-VS+): C69.1 U43.2
Net-(U43-VS-): C68.1 U43.6
Net-(U48-O2a): R51.1 U48.14
Net-(U54-Cp): U17.8 U54.11
Net-(U55-OEa): U17.11 U55.1 U55.19
Net-(VR2-CCW): U4.11 VR2.1
Net-(VR2-WIPER): C86.1 VR2.2

Pads without a net: IC1 1 2 3 16 20 22 23; J1 5; J2 5; J3 5; J4 5; J5 1 4 6 9; J8 1 2 9 12 13 20; J10 A2 A8 B2 B8; U3 9 10 13; U6 9 10; U8 9 10 13; U10 6; U11 11 21 22 29 30 31 32 33 34; U13 14; U14 32 34; U15 17 18 29 30; U16 12 13 15; U18 12 15 16 19; U23 9 11 17; U25 1 8; U26 1 30; U28 6 7 8 9 11 12 13 14; U29 3 11; U32 15; U34 5 7 8 11 17 29; U41 6 7 10 11 14 15; U42 17 23 24 29 31 33 34 37 38; U46 10 12; U48 3 5 7; U54 12 15

## Via types
v1: diameter 0.6, hole 0.3, Top to Bottom, 734 vias

## Routing (per net, layer and track width the routed paths; a pad name or vN(x,y) marks a point on that pad's centre or on a via; arc(x,y) is an arc through that point)
+5V: length 17.6
  Bottom w0.2: 96.32,63.01 96.44,62.89 96.32,62.77 96.32,62.06 96.38,62 v1(96.38,61.6) 96.32,61.54
  Bottom w1: 239.57,215.89 239.79,216.11 ; 119.44,128.59 U14.40 ; 120,237.2 120,240.5 119.74,240.76 ; J8.23 J8.22 J8.21 ; U13.7 116.48,96.09 116.48,93.2 v1(116.47,93.2)
  vias: v1(9,134) v1(10.52,121.6) v1(11.6,204.34) v1(14.24,159.69) v1(17.52,121.6) v1(17.6,197.24) v1(24.04,121.41) v1(25.84,106.01) v1(35.24,208.49) v1(36,167.47) v1(45.56,176) v1(46.44,80.4) v1(49.04,109.97) v1(51.52,93.19) v1(71.8,116.99) v1(74,240.4) v1(74.4,230.6) v1(76.24,107.76) v1(79.68,93.2) v1(80.28,126.8) v1(83.04,120.09) v1(90.8,142.4) v1(90.8,139.4) v1(91.1,126.9) v1(97.44,52.89) v1(97.54,32.89) v1(97.54,12.69) v1(109.6,131.5) v1(119,131.04) v1(119.6,154) v1(119.6,145.56) v1(119.6,126.6) v1(124.8,198.2) v1(125,185.4) v1(129.76,172.4) v1(134.8,88.8) v1(139.14,146.6) v1(152.6,234.29) v1(154.8,198.2) v1(155,185.6) v1(155.44,11.93) v1(155.8,33.49) v1(158.45,168) v1(159.56,70.6) v1(162.47,99.57) v1(164.24,108.41) v1(165.55,146.6) v1(173.04,141.01) v1(176.31,57.29) v1(182.64,151.1) v1(189.84,83.97) v1(190.04,152.2) v1(190.8,126.49) v1(192,115.19) v1(197.6,227.4) v1(197.91,92.69) v1(199.6,160) v1(199.8,145.64) v1(200.12,210.4) v1(200.12,196.6) v1(202.64,112.89) v1(202.84,126.09) v1(205.44,71.22) v1(205.64,58.62) v1(206.75,147) v1(217.2,20.64) v1(218.04,57.09) v1(219.08,98.89) v1(223,175.64) v1(223.8,156.29) v1(223.8,112.56) v1(224.04,126.05) v1(229.75,85.8) v1(231.84,125.99) v1(237,227.04) v1(237,197.64) v1(238.2,140.3) v1(238.8,166.7)
